# KiCad board kayboard.kicad_pcb
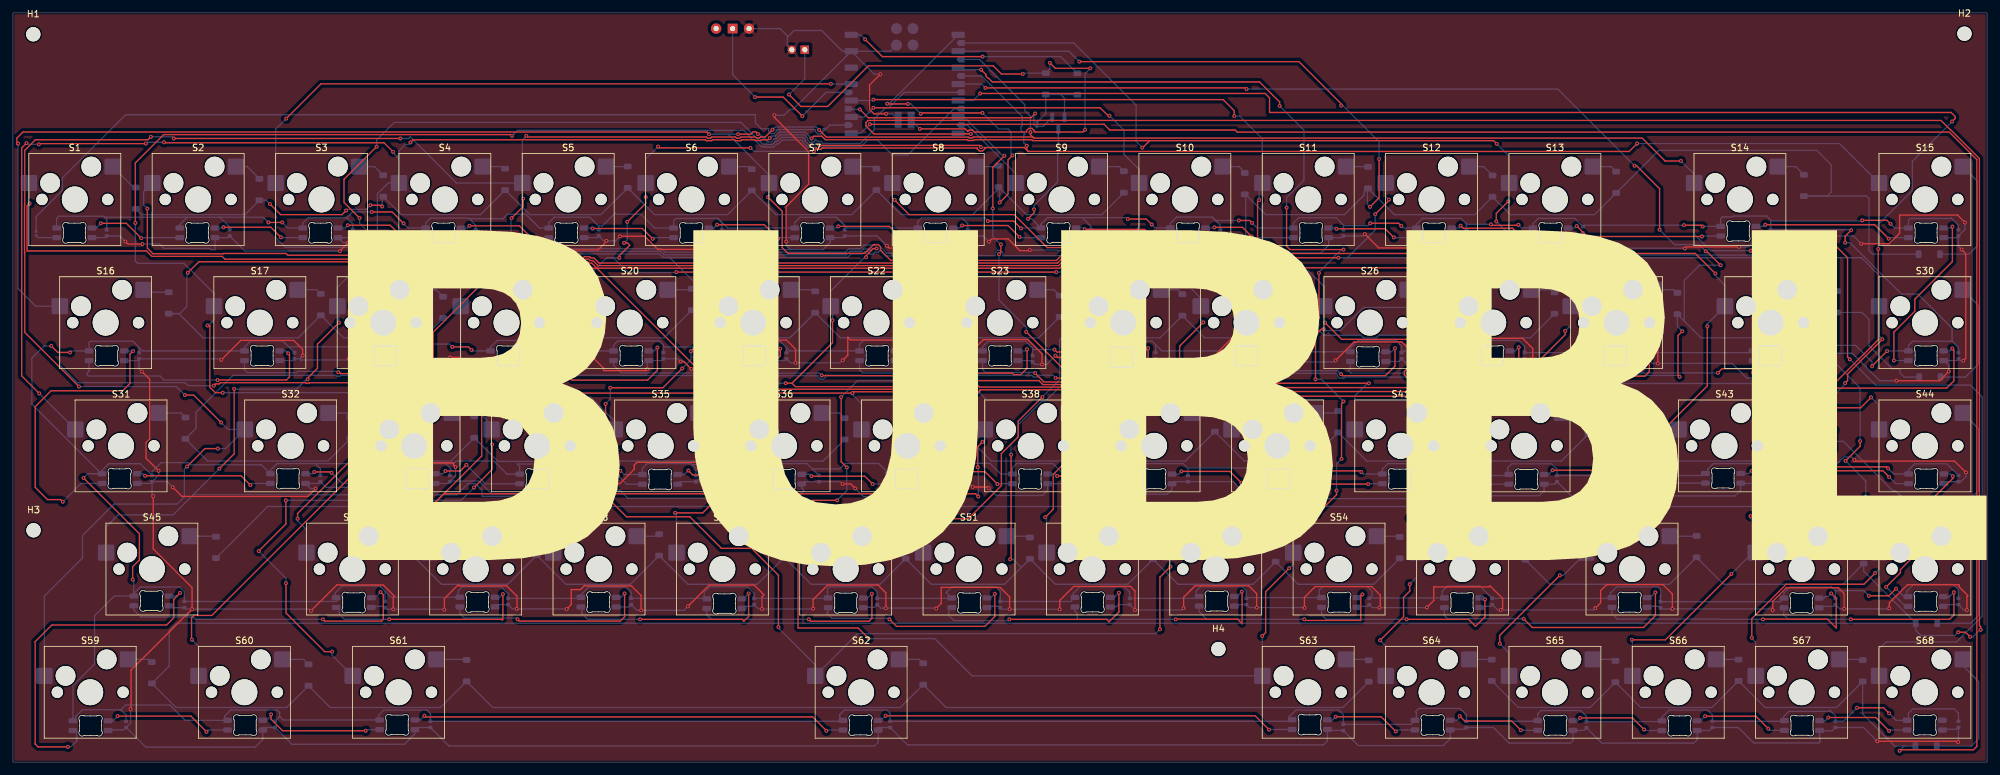
[diagram p0: board, top side]
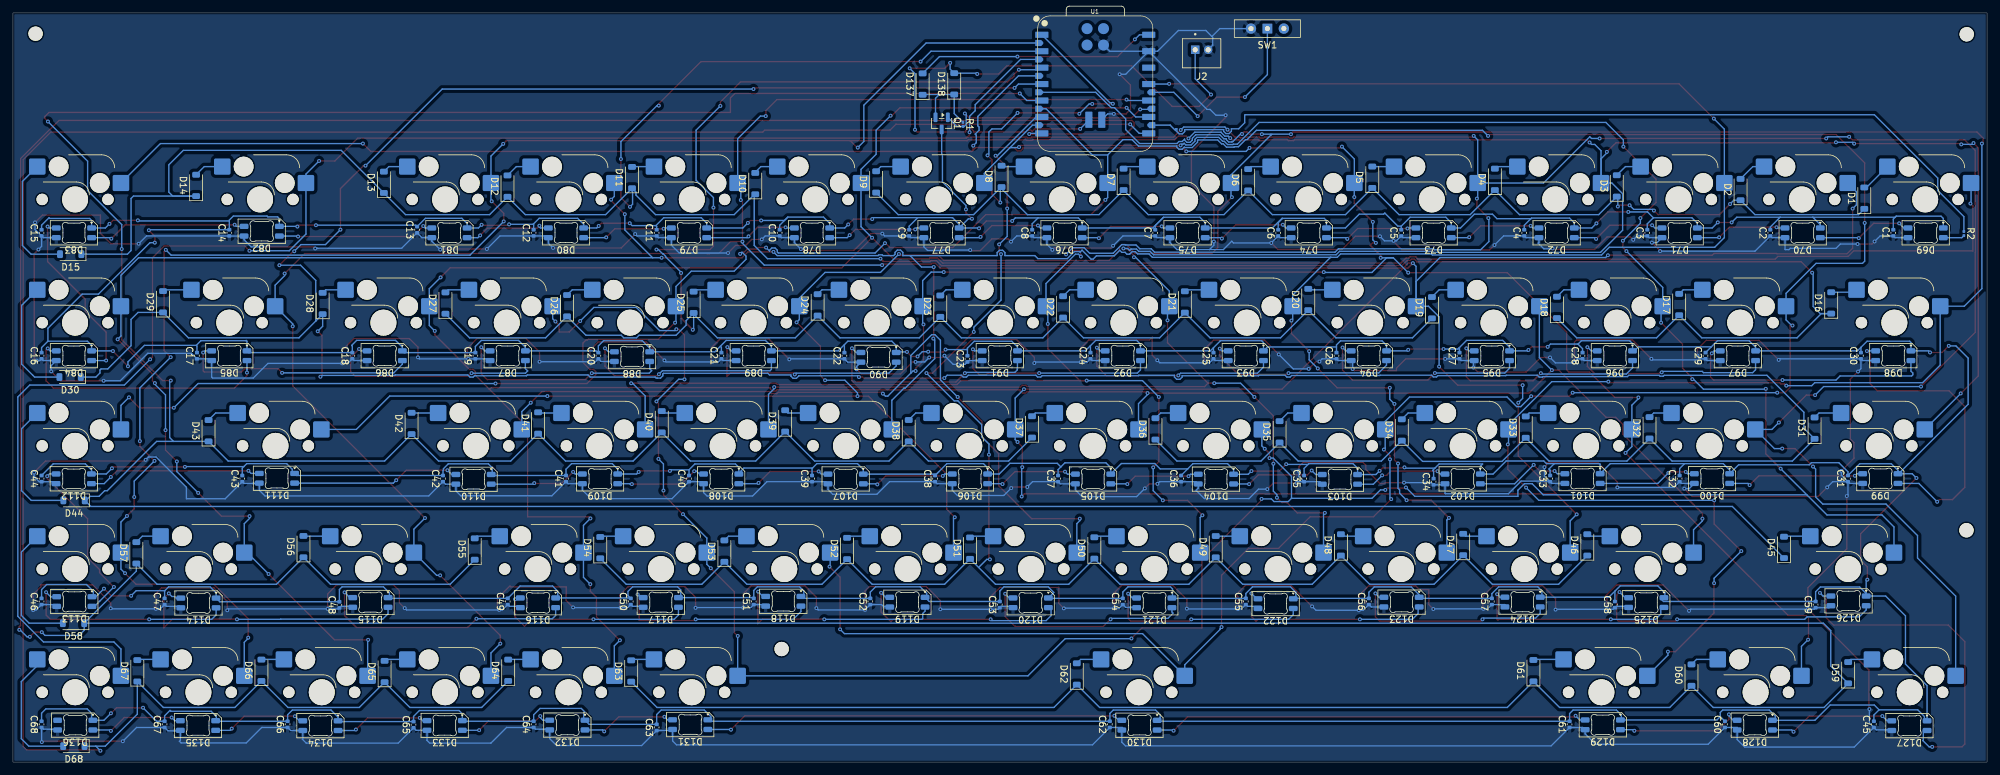
[diagram p1: board, bottom side, seen from below]

Outline 304.9 x 115.83 mm; copper layers: Top, Bottom. Coordinates in mm from the lower left corner of the outline.
Outline path: rectangle 0,115.83 304.9,0

## Placement (name value [footprint] x y rotation side)
C1  C  [C_0402_1005Metric]  14.48 81.83 90 bottom
C2  C  [C_0402_1005Metric]  33.48 81.83 90 bottom
C3  C  [C_0402_1005Metric]  52.48 81.83 90 bottom
C4  C  [C_0402_1005Metric]  71.48 81.83 90 bottom
C5  C  [C_0402_1005Metric]  90.48 81.83 90 bottom
C6  C  [C_0402_1005Metric]  109.48 81.83 90 bottom
C7  C  [C_0402_1005Metric]  128.48 81.83 90 bottom
C8  C  [C_0402_1005Metric]  147.48 81.83 90 bottom
C9  C  [C_0402_1005Metric]  166.48 81.83 90 bottom
C10  C  [C_0402_1005Metric]  186.48 81.83 90 bottom
C11  C  [C_0402_1005Metric]  205.48 81.83 90 bottom
C12  C  [C_0402_1005Metric]  224.48 81.83 90 bottom
C13  C  [C_0402_1005Metric]  242.48 82.31 90 bottom
C14  C  [C_0402_1005Metric]  271.48 81.83 90 bottom
C15  C  [C_0402_1005Metric]  300.48 81.83 90 bottom
C16  C  [C_0402_1005Metric]  300.48 62.83 90 bottom
C17  C  [C_0402_1005Metric]  276.48 62.83 90 bottom
C18  C  [C_0402_1005Metric]  252.48 62.83 90 bottom
C19  C  [C_0402_1005Metric]  233.48 62.83 90 bottom
C20  C  [C_0402_1005Metric]  214.48 62.83 90 bottom
C21  C  [C_0402_1005Metric]  195.48 62.83 90 bottom
C22  C  [C_0402_1005Metric]  176.48 62.83 90 bottom
C23  C  [C_0402_1005Metric]  157.48 62.35 90 bottom
C24  C  [C_0402_1005Metric]  138.48 62.83 90 bottom
C25  C  [C_0402_1005Metric]  119.48 62.83 90 bottom
C26  C  [C_0402_1005Metric]  100.48 62.83 90 bottom
C27  C  [C_0402_1005Metric]  81.48 62.83 90 bottom
C28  C  [C_0402_1005Metric]  62.48 62.83 90 bottom
C29  C  [C_0402_1005Metric]  43.48 62.83 90 bottom
C30  C  [C_0402_1005Metric]  19.48 62.83 90 bottom
C31  C  [C_0402_1005Metric]  21.48 43.83 90 bottom
C32  C  [C_0402_1005Metric]  47.48 43.83 90 bottom
C33  C  [C_0402_1005Metric]  67.48 43.83 90 bottom
C34  C  [C_0402_1005Metric]  85.48 43.35 90 bottom
C35  C  [C_0402_1005Metric]  105.48 43.83 90 bottom
C36  C  [C_0402_1005Metric]  124.48 43.83 90 bottom
C37  C  [C_0402_1005Metric]  143.48 43.83 90 bottom
C38  C  [C_0402_1005Metric]  162.48 43.83 90 bottom
C39  C  [C_0402_1005Metric]  181.48 43.83 90 bottom
C40  C  [C_0402_1005Metric]  200.48 43.83 90 bottom
C41  C  [C_0402_1005Metric]  219.48 43.83 90 bottom
C42  C  [C_0402_1005Metric]  238.48 43.83 90 bottom
C43  C  [C_0402_1005Metric]  269.48 43.83 90 bottom
C44  C  [C_0402_1005Metric]  300.48 43.83 90 bottom
C45  C  [C_0402_1005Metric]  17.48 5.83 90 bottom
C46  C  [C_0402_1005Metric]  300.48 24.83 90 bottom
C47  C  [C_0402_1005Metric]  281.48 24.83 90 bottom
C48  C  [C_0402_1005Metric]  254.48 24.31 90 bottom
C49  C  [C_0402_1005Metric]  228.48 24.83 90 bottom
C50  C  [C_0402_1005Metric]  209.48 24.83 90 bottom
C51  C  [C_0402_1005Metric]  190.48 24.83 90 bottom
C52  C  [C_0402_1005Metric]  172.48 24.83 90 bottom
C53  C  [C_0402_1005Metric]  152.48 24.35 90 bottom
C54  C  [C_0402_1005Metric]  133.48 24.83 90 bottom
C55  C  [C_0402_1005Metric]  114.48 24.83 90 bottom
C56  C  [C_0402_1005Metric]  95.48 24.83 90 bottom
C57  C  [C_0402_1005Metric]  76.48 24.83 90 bottom
C58  C  [C_0402_1005Metric]  57.48 24.35 90 bottom
C59  C  [C_0402_1005Metric]  26.48 24.35 90 bottom
C60  C  [C_0402_1005Metric]  40.48 5.83 90 bottom
C61  C  [C_0402_1005Metric]  64.48 5.83 90 bottom
C62  C  [C_0402_1005Metric]  135.48 5.83 90 bottom
C63  C  [C_0402_1005Metric]  205.48 5.35 90 bottom
C64  C  [C_0402_1005Metric]  224.48 5.83 90 bottom
C65  C  [C_0402_1005Metric]  243.03 5.78 90 bottom
C66  C  [C_0402_1005Metric]  262.48 5.83 90 bottom
C67  C  [C_0402_1005Metric]  281.48 5.83 90 bottom
C68  C  [C_0402_1005Metric]  300.48 5.83 90 bottom
D1  ~  [D_SOD-123]  18.96 87.19 90 bottom
D2  ~  [D_SOD-123]  38.07 88.52 90 bottom
D3  ~  [D_SOD-123]  57.19 89.08 90 bottom
D4  ~  [D_SOD-123]  76.02 90.1 90 bottom
D5  ~  [D_SOD-123]  94.95 90.43 90 bottom
D6  ~  [D_SOD-123]  114.12 90.03 90 bottom
D7  ~  [D_SOD-123]  133.36 90.1 90 bottom
D8  ~  [D_SOD-123]  152.21 90.56 90 bottom
D9  ~  [D_SOD-123]  171.58 89.7 90 bottom
D10  ~  [D_SOD-123]  190.25 89.44 90 bottom
D11  ~  [D_SOD-123]  209.28 90.37 90 bottom
D12  ~  [D_SOD-123]  228.52 89.05 90 bottom
D13  ~  [D_SOD-123]  247.61 89.64 90 bottom
D14  ~  [D_SOD-123]  276.61 89.16 90 bottom
D15  ~  [D_SOD-123]  295.98 78.53 0 bottom
D16  ~  [D_SOD-123]  24.07 70.99 90 bottom
D17  ~  [D_SOD-123]  47.55 70.74 90 bottom
D18  ~  [D_SOD-123]  66.43 70.3 90 bottom
D19  ~  [D_SOD-123]  85.74 70.25 90 bottom
D20  ~  [D_SOD-123]  104.84 71.52 90 bottom
D21  ~  [D_SOD-123]  123.9 71.14 90 bottom
D22  ~  [D_SOD-123]  142.7 70.38 90 bottom
D23  ~  [D_SOD-123]  161.67 70.49 90 bottom
D24  ~  [D_SOD-123]  180.62 70.69 90 bottom
D25  ~  [D_SOD-123]  199.77 71.09 90 bottom
D26  ~  [D_SOD-123]  219.32 70.56 90 bottom
D27  ~  [D_SOD-123]  238.1 70.97 90 bottom
D28  ~  [D_SOD-123]  257.07 70.9 90 bottom
D29  ~  [D_SOD-123]  281.72 71.17 90 bottom
D30  ~  [D_SOD-123]  296.07 59.53 0 bottom
D31  ~  [D_SOD-123]  26.64 51.63 90 bottom
D32  ~  [D_SOD-123]  52.13 51.68 90 bottom
D33  ~  [D_SOD-123]  71.25 51.79 90 bottom
D34  ~  [D_SOD-123]  90.39 51.35 90 bottom
D35  ~  [D_SOD-123]  109.27 51.06 90 bottom
D36  ~  [D_SOD-123]  128.44 51.51 90 bottom
D37  ~  [D_SOD-123]  147.5 51.82 90 bottom
D38  ~  [D_SOD-123]  166.55 51.24 90 bottom
D39  ~  [D_SOD-123]  185.63 52.75 90 bottom
D40  ~  [D_SOD-123]  204.69 52.62 90 bottom
D41  ~  [D_SOD-123]  223.79 52.43 90 bottom
D42  ~  [D_SOD-123]  243.33 52.36 90 bottom
D43  ~  [D_SOD-123]  274.69 51.23 90 bottom
D44  ~  [D_SOD-123]  295.46 40.46 0 bottom
D45  ~  [D_SOD-123]  31.36 33.19 90 bottom
D46  ~  [D_SOD-123]  61.74 33.58 90 bottom
D47  ~  [D_SOD-123]  80.91 33.64 90 bottom
D48  ~  [D_SOD-123]  99.8 33.58 90 bottom
D49  ~  [D_SOD-123]  119.13 33.3 90 bottom
D50  ~  [D_SOD-123]  137.88 33.1 90 bottom
D51  ~  [D_SOD-123]  157.08 33.07 90 bottom
D52  ~  [D_SOD-123]  176.07 33.02 90 bottom
D53  ~  [D_SOD-123]  195.02 32.62 90 bottom
D54  ~  [D_SOD-123]  214.19 33.15 90 bottom
D55  ~  [D_SOD-123]  233.58 32.94 90 bottom
D56  ~  [D_SOD-123]  260.03 33.31 90 bottom
D57  ~  [D_SOD-123]  285.84 32.35 90 bottom
D58  ~  [D_SOD-123]  295.54 21.47 0 bottom
D59  ~  [D_SOD-123]  21.45 13.81 90 bottom
D60  ~  [D_SOD-123]  45.65 13.45 90 bottom
D61  ~  [D_SOD-123]  70.06 14.13 90 bottom
D62  ~  [D_SOD-123]  140.59 13.62 90 bottom
D63  ~  [D_SOD-123]  209.41 14.08 90 bottom
D64  ~  [D_SOD-123]  228.41 14.19 90 bottom
D65  ~  [D_SOD-123]  247.5 14 90 bottom
D66  ~  [D_SOD-123]  266.52 14.19 90 bottom
D67  ~  [D_SOD-123]  285.69 14.11 90 bottom
D68  ~  [D_SOD-123]  295.49 2.46 0 bottom
D69  SK6812MINI-E  [LED_SK6812MINI-E_3.2x2.8mm_P1.5mm_ReverseMount]  9.48 81.83 0 bottom
D70  SK6812MINI-E  [LED_SK6812MINI-E_3.2x2.8mm_P1.5mm_ReverseMount]  28.48 81.83 0 bottom
D71  SK6812MINI-E  [LED_SK6812MINI-E_3.2x2.8mm_P1.5mm_ReverseMount]  47.48 81.83 0 bottom
D72  SK6812MINI-E  [LED_SK6812MINI-E_3.2x2.8mm_P1.5mm_ReverseMount]  66.48 81.83 0 bottom
D73  SK6812MINI-E  [LED_SK6812MINI-E_3.2x2.8mm_P1.5mm_ReverseMount]  85.48 81.83 0 bottom
D74  SK6812MINI-E  [LED_SK6812MINI-E_3.2x2.8mm_P1.5mm_ReverseMount]  104.75 81.83 0 bottom
D75  SK6812MINI-E  [LED_SK6812MINI-E_3.2x2.8mm_P1.5mm_ReverseMount]  123.48 81.83 0 bottom
D76  SK6812MINI-E  [LED_SK6812MINI-E_3.2x2.8mm_P1.5mm_ReverseMount]  142.48 81.83 0 bottom
D77  SK6812MINI-E  [LED_SK6812MINI-E_3.2x2.8mm_P1.5mm_ReverseMount]  161.48 81.83 0 bottom
D78  SK6812MINI-E  [LED_SK6812MINI-E_3.2x2.8mm_P1.5mm_ReverseMount]  181.48 81.83 0 bottom
D79  SK6812MINI-E  [LED_SK6812MINI-E_3.2x2.8mm_P1.5mm_ReverseMount]  200.48 81.83 0 bottom
D80  SK6812MINI-E  [LED_SK6812MINI-E_3.2x2.8mm_P1.5mm_ReverseMount]  219.48 81.83 0 bottom
D81  SK6812MINI-E  [LED_SK6812MINI-E_3.2x2.8mm_P1.5mm_ReverseMount]  237.48 81.83 0 bottom
D82  SK6812MINI-E  [LED_SK6812MINI-E_3.2x2.8mm_P1.5mm_ReverseMount]  266.48 82.08 0 bottom
D83  SK6812MINI-E  [LED_SK6812MINI-E_3.2x2.8mm_P1.5mm_ReverseMount]  295.48 81.83 0 bottom
D84  SK6812MINI-E  [LED_SK6812MINI-E_3.2x2.8mm_P1.5mm_ReverseMount]  295.48 62.83 0 bottom
D85  SK6812MINI-E  [LED_SK6812MINI-E_3.2x2.8mm_P1.5mm_ReverseMount]  271.48 62.83 0 bottom
D86  SK6812MINI-E  [LED_SK6812MINI-E_3.2x2.8mm_P1.5mm_ReverseMount]  247.48 62.83 0 bottom
D87  SK6812MINI-E  [LED_SK6812MINI-E_3.2x2.8mm_P1.5mm_ReverseMount]  228.48 62.83 0 bottom
D88  SK6812MINI-E  [LED_SK6812MINI-E_3.2x2.8mm_P1.5mm_ReverseMount]  209.28 62.69 0 bottom
D89  SK6812MINI-E  [LED_SK6812MINI-E_3.2x2.8mm_P1.5mm_ReverseMount]  190.48 62.83 0 bottom
D90  SK6812MINI-E  [LED_SK6812MINI-E_3.2x2.8mm_P1.5mm_ReverseMount]  171.2 62.58 0 bottom
D91  SK6812MINI-E  [LED_SK6812MINI-E_3.2x2.8mm_P1.5mm_ReverseMount]  152.48 62.83 0 bottom
D92  SK6812MINI-E  [LED_SK6812MINI-E_3.2x2.8mm_P1.5mm_ReverseMount]  133.48 62.83 0 bottom
D93  SK6812MINI-E  [LED_SK6812MINI-E_3.2x2.8mm_P1.5mm_ReverseMount]  114.48 62.83 0 bottom
D94  SK6812MINI-E  [LED_SK6812MINI-E_3.2x2.8mm_P1.5mm_ReverseMount]  95.48 62.83 0 bottom
D95  SK6812MINI-E  [LED_SK6812MINI-E_3.2x2.8mm_P1.5mm_ReverseMount]  76.48 62.83 0 bottom
D96  SK6812MINI-E  [LED_SK6812MINI-E_3.2x2.8mm_P1.5mm_ReverseMount]  57.48 62.83 0 bottom
D97  SK6812MINI-E  [LED_SK6812MINI-E_3.2x2.8mm_P1.5mm_ReverseMount]  38.48 62.83 0 bottom
D98  SK6812MINI-E  [LED_SK6812MINI-E_3.2x2.8mm_P1.5mm_ReverseMount]  14.48 62.83 0 bottom
D99  SK6812MINI-E  [LED_SK6812MINI-E_3.2x2.8mm_P1.5mm_ReverseMount]  16.48 43.83 0 bottom
D100  SK6812MINI-E  [LED_SK6812MINI-E_3.2x2.8mm_P1.5mm_ReverseMount]  42.48 43.83 0 bottom
D101  SK6812MINI-E  [LED_SK6812MINI-E_3.2x2.8mm_P1.5mm_ReverseMount]  62.48 43.83 0 bottom
D102  SK6812MINI-E  [LED_SK6812MINI-E_3.2x2.8mm_P1.5mm_ReverseMount]  80.99 43.78 0 bottom
D103  SK6812MINI-E  [LED_SK6812MINI-E_3.2x2.8mm_P1.5mm_ReverseMount]  99.95 43.71 0 bottom
D104  SK6812MINI-E  [LED_SK6812MINI-E_3.2x2.8mm_P1.5mm_ReverseMount]  119.1 43.75 0 bottom
D105  SK6812MINI-E  [LED_SK6812MINI-E_3.2x2.8mm_P1.5mm_ReverseMount]  138.07 43.77 0 bottom
D106  SK6812MINI-E  [LED_SK6812MINI-E_3.2x2.8mm_P1.5mm_ReverseMount]  157.09 43.79 0 bottom
D107  SK6812MINI-E  [LED_SK6812MINI-E_3.2x2.8mm_P1.5mm_ReverseMount]  176.29 43.77 0 bottom
D108  SK6812MINI-E  [LED_SK6812MINI-E_3.2x2.8mm_P1.5mm_ReverseMount]  195.51 43.79 0 bottom
D109  SK6812MINI-E  [LED_SK6812MINI-E_3.2x2.8mm_P1.5mm_ReverseMount]  214.22 43.79 0 bottom
D110  SK6812MINI-E  [LED_SK6812MINI-E_3.2x2.8mm_P1.5mm_ReverseMount]  233.76 43.72 0 bottom
D111  SK6812MINI-E  [LED_SK6812MINI-E_3.2x2.8mm_P1.5mm_ReverseMount]  264.12 43.88 0 bottom
D112  SK6812MINI-E  [LED_SK6812MINI-E_3.2x2.8mm_P1.5mm_ReverseMount]  295.51 43.8 0 bottom
D113  SK6812MINI-E  [LED_SK6812MINI-E_3.2x2.8mm_P1.5mm_ReverseMount]  295.42 24.82 0 bottom
D114  SK6812MINI-E  [LED_SK6812MINI-E_3.2x2.8mm_P1.5mm_ReverseMount]  276.25 24.6 0 bottom
D115  SK6812MINI-E  [LED_SK6812MINI-E_3.2x2.8mm_P1.5mm_ReverseMount]  249.69 24.68 0 bottom
D116  SK6812MINI-E  [LED_SK6812MINI-E_3.2x2.8mm_P1.5mm_ReverseMount]  223.81 24.63 0 bottom
D117  SK6812MINI-E  [LED_SK6812MINI-E_3.2x2.8mm_P1.5mm_ReverseMount]  204.84 24.68 0 bottom
D118  SK6812MINI-E  [LED_SK6812MINI-E_3.2x2.8mm_P1.5mm_ReverseMount]  185.92 24.86 0 bottom
D119  SK6812MINI-E  [LED_SK6812MINI-E_3.2x2.8mm_P1.5mm_ReverseMount]  166.75 24.72 0 bottom
D120  SK6812MINI-E  [LED_SK6812MINI-E_3.2x2.8mm_P1.5mm_ReverseMount]  147.71 24.63 0 bottom
D121  SK6812MINI-E  [LED_SK6812MINI-E_3.2x2.8mm_P1.5mm_ReverseMount]  128.62 24.62 0 bottom
D122  SK6812MINI-E  [LED_SK6812MINI-E_3.2x2.8mm_P1.5mm_ReverseMount]  109.88 24.5 0 bottom
D123  SK6812MINI-E  [LED_SK6812MINI-E_3.2x2.8mm_P1.5mm_ReverseMount]  90.43 24.73 0 bottom
D124  SK6812MINI-E  [LED_SK6812MINI-E_3.2x2.8mm_P1.5mm_ReverseMount]  71.74 24.74 0 bottom
D125  SK6812MINI-E  [LED_SK6812MINI-E_3.2x2.8mm_P1.5mm_ReverseMount]  52.63 24.66 0 bottom
D126  SK6812MINI-E  [LED_SK6812MINI-E_3.2x2.8mm_P1.5mm_ReverseMount]  21.39 24.92 0 bottom
D127  SK6812MINI-E  [LED_SK6812MINI-E_3.2x2.8mm_P1.5mm_ReverseMount]  11.99 5.63 0 bottom
D128  SK6812MINI-E  [LED_SK6812MINI-E_3.2x2.8mm_P1.5mm_ReverseMount]  35.87 5.71 0 bottom
D129  SK6812MINI-E  [LED_SK6812MINI-E_3.2x2.8mm_P1.5mm_ReverseMount]  59.35 5.76 0 bottom
D130  SK6812MINI-E  [LED_SK6812MINI-E_3.2x2.8mm_P1.5mm_ReverseMount]  130.91 5.7 0 bottom
D131  SK6812MINI-E  [LED_SK6812MINI-E_3.2x2.8mm_P1.5mm_ReverseMount]  200.3 5.79 0 bottom
D132  SK6812MINI-E  [LED_SK6812MINI-E_3.2x2.8mm_P1.5mm_ReverseMount]  219.27 5.72 0 bottom
D133  SK6812MINI-E  [LED_SK6812MINI-E_3.2x2.8mm_P1.5mm_ReverseMount]  238.22 5.66 0 bottom
D134  SK6812MINI-E  [LED_SK6812MINI-E_3.2x2.8mm_P1.5mm_ReverseMount]  257.41 5.63 0 bottom
D135  SK6812MINI-E  [LED_SK6812MINI-E_3.2x2.8mm_P1.5mm_ReverseMount]  276.32 5.65 0 bottom
D136  SK6812MINI-E  [LED_SK6812MINI-E_3.2x2.8mm_P1.5mm_ReverseMount]  295.28 5.71 0 bottom
D137  1N5819  [D_SOD-123]  164.4 104.83 90 bottom
D138  1N5819  [D_SOD-123]  159.52 104.87 90 bottom
H1  MountingHole  [MountingHole_2.2mm_M2]  3.14 112.53 0 top
H2  MountingHole  [MountingHole_2.2mm_M2]  301.41 112.62 0 top
H3  MountingHole  [MountingHole_2.2mm_M2]  3.18 35.84 0 top
H4  MountingHole  [MountingHole_2.2mm_M2]  186.18 17.48 0 top
J2  B2B-PH-K-S  [JST_B2B-PH-K-S]  121.3 109.59 0 bottom
Q1  AO3401A  [SOT-23]  161.46 98.75 270 bottom
R1  Resistor (10K)  [R_0201_0603Metric]  158.17 98.6 270 bottom
R2  Resistor (330ohm)  [R_0201_0603Metric]  3.58 81.72 270 bottom
S1  ~  [SW_Hotswap_Kailh_MX_1.00u]  9.56 86.99 0 top
S2  ~  [SW_Hotswap_Kailh_MX_1.00u]  28.61 86.99 0 top
S3  ~  [SW_Hotswap_Kailh_MX_1.00u]  47.66 86.99 0 top
S4  ~  [SW_Hotswap_Kailh_MX_1.00u]  66.7 86.99 0 top
S5  ~  [SW_Hotswap_Kailh_MX_1.00u]  85.75 86.99 0 top
S6  ~  [SW_Hotswap_Kailh_MX_1.00u]  104.81 86.99 0 top
S7  ~  [SW_Hotswap_Kailh_MX_1.00u]  123.86 86.99 0 top
S8  ~  [SW_Hotswap_Kailh_MX_1.00u]  142.91 86.99 0 top
S9  ~  [SW_Hotswap_Kailh_MX_1.00u]  161.95 86.99 0 top
S10  ~  [SW_Hotswap_Kailh_MX_1.00u]  181 86.99 0 top
S11  ~  [SW_Hotswap_Kailh_MX_1.00u]  200.06 86.99 0 top
S12  ~  [SW_Hotswap_Kailh_MX_1.00u]  219.11 86.99 0 top
S13  ~  [SW_Hotswap_Kailh_MX_1.00u]  238.16 86.99 0 top
S14  ~  [SW_Hotswap_Kailh_MX_2.00u]  266.73 86.99 0 top
S15  ~  [SW_Hotswap_Kailh_MX_1.00u]  295.31 86.99 0 top
S16  ~  [SW_Hotswap_Kailh_MX_1.50u]  14.32 67.94 0 top
S17  ~  [SW_Hotswap_Kailh_MX_1.00u]  38.13 67.94 0 top
S18  ~  [SW_Hotswap_Kailh_MX_1.00u]  57.18 67.94 0 top
S19  ~  [SW_Hotswap_Kailh_MX_1.00u]  76.23 67.94 0 top
S20  ~  [SW_Hotswap_Kailh_MX_1.00u]  95.28 67.94 0 top
S21  ~  [SW_Hotswap_Kailh_MX_1.00u]  114.33 67.94 0 top
S22  ~  [SW_Hotswap_Kailh_MX_1.00u]  133.38 67.94 0 top
S23  ~  [SW_Hotswap_Kailh_MX_1.00u]  152.43 67.94 0 top
S24  ~  [SW_Hotswap_Kailh_MX_1.00u]  171.48 67.94 0 top
S25  ~  [SW_Hotswap_Kailh_MX_1.00u]  190.53 67.94 0 top
S26  ~  [SW_Hotswap_Kailh_MX_1.00u]  209.58 67.94 0 top
S27  ~  [SW_Hotswap_Kailh_MX_1.00u]  228.63 67.94 0 top
S28  ~  [SW_Hotswap_Kailh_MX_1.00u]  247.68 67.94 0 top
S29  ~  [SW_Hotswap_Kailh_MX_1.50u]  271.49 67.94 0 top
S30  ~  [SW_Hotswap_Kailh_MX_1.00u]  295.31 67.94 0 top
S31  ~  [SW_Hotswap_Kailh_MX_1.75u]  16.7 48.89 0 top
S32  ~  [SW_Hotswap_Kailh_MX_1.00u]  42.89 48.89 0 top
S33  ~  [SW_Hotswap_Kailh_MX_1.00u]  61.94 48.89 0 top
S34  ~  [SW_Hotswap_Kailh_MX_1.00u]  80.99 48.89 0 top
S35  ~  [SW_Hotswap_Kailh_MX_1.00u]  100.04 48.89 0 top
S36  ~  [SW_Hotswap_Kailh_MX_1.00u]  119.09 48.89 0 top
S37  ~  [SW_Hotswap_Kailh_MX_1.00u]  138.14 48.89 0 top
S38  ~  [SW_Hotswap_Kailh_MX_1.00u]  157.19 48.89 0 top
S39  ~  [SW_Hotswap_Kailh_MX_1.00u]  176.24 48.89 0 top
S40  ~  [SW_Hotswap_Kailh_MX_1.00u]  195.29 48.89 0 top
S41  ~  [SW_Hotswap_Kailh_MX_1.00u]  214.34 48.89 0 top
S42  ~  [SW_Hotswap_Kailh_MX_1.00u]  233.39 48.89 0 top
S43  ~  [SW_Hotswap_Kailh_MX_2.25u]  264.35 48.89 0 top
S44  ~  [SW_Hotswap_Kailh_MX_1.00u]  295.31 48.89 0 top
S45  ~  [SW_Hotswap_Kailh_MX_2.25u]  21.46 29.84 0 top
S46  ~  [SW_Hotswap_Kailh_MX_1.00u]  52.42 29.84 0 top
S47  ~  [SW_Hotswap_Kailh_MX_1.00u]  71.47 29.84 0 top
S48  ~  [SW_Hotswap_Kailh_MX_1.00u]  90.52 29.84 0 top
S49  ~  [SW_Hotswap_Kailh_MX_1.00u]  109.57 29.84 0 top
S50  ~  [SW_Hotswap_Kailh_MX_1.00u]  128.62 29.84 0 top
S51  ~  [SW_Hotswap_Kailh_MX_1.00u]  147.67 29.84 0 top
S52  ~  [SW_Hotswap_Kailh_MX_1.00u]  166.72 29.84 0 top
S53  ~  [SW_Hotswap_Kailh_MX_1.00u]  185.77 29.84 0 top
S54  ~  [SW_Hotswap_Kailh_MX_1.00u]  204.82 29.84 0 top
S55  ~  [SW_Hotswap_Kailh_MX_1.00u]  223.87 29.84 0 top
S56  ~  [SW_Hotswap_Kailh_MX_1.75u]  250.06 29.84 0 top
S57  ~  [SW_Hotswap_Kailh_MX_1.00u]  276.25 29.84 0 top
S58  ~  [SW_Hotswap_Kailh_MX_1.00u]  295.31 29.84 0 top
S59  ~  [SW_Hotswap_Kailh_MX_1.25u]  11.94 10.79 0 top
S60  ~  [SW_Hotswap_Kailh_MX_1.25u]  35.75 10.79 0 top
S61  ~  [SW_Hotswap_Kailh_MX_1.25u]  59.56 10.79 0 top
S62  ~  [SW_Hotswap_Kailh_MX_6.25u]  131 10.79 0 top
S63  ~  [SW_Hotswap_Kailh_MX_1.00u]  200.06 10.79 0 top
S64  ~  [SW_Hotswap_Kailh_MX_1.00u]  219.11 10.79 0 top
S65  ~  [SW_Hotswap_Kailh_MX_1.00u]  238.16 10.79 0 top
S66  ~  [SW_Hotswap_Kailh_MX_1.00u]  257.2 10.79 0 top
S67  ~  [SW_Hotswap_Kailh_MX_1.00u]  276.25 10.79 0 top
S68  ~  [SW_Hotswap_Kailh_MX_1.00u]  295.31 10.79 0 top
SW1  SW_Wuerth_450301014042  [SW_Slide-03_Wuerth-WS-SLTV_10x2.5x6.4_P2.54mm]  111.15 113.41 0 bottom
U1  -  [XIAO-nRF52840-Plus-SMD]  137.74 104.83 90 bottom

## Library data of the parts
C1-C68 = -: Description: Unpolarized capacitor; KiLib_Generator: SMD_2terminal_chip_molded; ki_fp_filters: C_*
D1-D68 = -: ki_fp_filters: D*DO?35*
D69-D136 = -: Datasheet: https://www.lcsc.com/datasheet/C5149201.pdf; Description: RGB LED with integrated controller; ki_fp_filters: LED?SK6812MINI?E?3.2x2.8mm?P1.5mm*
D137 D138 = -: Datasheet: http://www.vishay.com/docs/88525/1n5817.pdf; Description: 40V 1A Schottky Barrier Rectifier Diode, DO-41; ki_fp_filters: D*DO?41*
H1-H4 = -: Description: Mounting Hole without connection; KiLib_Generator: mounting_hardware/mounting_hole; ki_fp_filters: MountingHole*
J2 = -: Description: Connector Header Through Hole 2 position 0.079 (2.00mm); MF: JST Sales; Package: None; Price: None; Check_prices: https://www.snapeda.com/parts/B2B-PH-K-S/JST/view-part/?ref=eda; SnapEDA_Link: https://www.snapeda.com/parts/B2B-PH-K-S/JST/view-part/?ref=snap; Availability: In Stock; MANUFACTURER: JST
Q1 = -: Datasheet: http://www.aosmd.com/pdfs/datasheet/AO3401A.pdf; Description: -4.0A Id, -30V Vds, P-Channel MOSFET, SOT-23; KiLib_Generator: package/gullwing; ki_fp_filters: SOT?23*
R1 R2 = -: Description: Resistor; KiLib_Generator: SMD_2terminal_chip_molded; ki_fp_filters: R_*
SW1 = -: Datasheet: https://www.we-online.com/components/products/datasheet/450301014042.pdf; Description: Switch slide, single pole double throw; ki_fp_filters: SW*Wuerth*WS*SLTV*10x2.5x6.4*P2.54mm*

## Footprints (pads in the part's own frame, mm; a bottom-side part is the same pattern mirrored in y, then rotated)
C_0402_1005Metric
  rrect 0.56x0.62 smd: 1(-0.48,0) 2(0.48,0)
D_SOD-123
  rrect 0.9x1.2 smd: 1(-1.65,0) 2(1.65,0)
JST_B2B-PH-K-S
  rect 1.308x1.308 hole 0.8: 1(1,-0.55)
  round 1.308 hole 0.8: 2(-1,-0.55)
LED_SK6812MINI-E_3.2x2.8mm_P1.5mm_ReverseMount
  rrect 1.35x0.82 smd: 1(-2.725,-0.75) 2(-2.725,0.75) 3(2.725,0.75) 4(2.725,-0.75)
MountingHole_2.2mm_M2
  round 2.2 hole 2.2 unplated: (0,0)
R_0201_0603Metric
  rrect 0.318x0.36 smd: (-0.345,0) (0.345,0)
  rrect 0.46x0.4 smd: 1(-0.32,0) 2(0.32,0)
SOT-23
  rrect 1.475x0.6 smd: 1(-0.938,0.95) 2(-0.938,-0.95) 3(0.938,0)
SW_Hotswap_Kailh_MX_1.00u
  round 1.75 hole 1.75 unplated: (-5.08,0) (5.08,0)
  round 3.05 hole 3.05 unplated: (-3.81,2.54) (2.54,5.08)
  round 4 hole 4 unplated: (0,0)
  rrect 2.55x2.5 smd far side: 1(-7.085,2.54) 2(5.842,5.08)
SW_Hotswap_Kailh_MX_1.25u
  round 1.75 hole 1.75 unplated: (-5.08,0) (5.08,0)
  round 3.05 hole 3.05 unplated: (-3.81,2.54) (2.54,5.08)
  round 4 hole 4 unplated: (0,0)
  rrect 2.55x2.5 smd far side: 1(-7.085,2.54) 2(5.842,5.08)
SW_Hotswap_Kailh_MX_1.50u
  round 1.75 hole 1.75 unplated: (-5.08,0) (5.08,0)
  round 3.05 hole 3.05 unplated: (-3.81,2.54) (2.54,5.08)
  round 4 hole 4 unplated: (0,0)
  rrect 2.55x2.5 smd far side: 1(-7.085,2.54) 2(5.842,5.08)
SW_Hotswap_Kailh_MX_1.75u
  round 1.75 hole 1.75 unplated: (-5.08,0) (5.08,0)
  round 3.05 hole 3.05 unplated: (-3.81,2.54) (2.54,5.08)
  round 4 hole 4 unplated: (0,0)
  rrect 2.55x2.5 smd far side: 1(-7.085,2.54) 2(5.842,5.08)
SW_Hotswap_Kailh_MX_2.00u
  round 1.75 hole 1.75 unplated: (-5.08,0) (5.08,0)
  round 3.05 hole 3.05 unplated: (-3.81,2.54) (2.54,5.08)
  round 4 hole 4 unplated: (0,0)
  rrect 2.55x2.5 smd far side: 1(-7.085,2.54) 2(5.842,5.08)
SW_Hotswap_Kailh_MX_2.25u
  round 1.75 hole 1.75 unplated: (-5.08,0) (5.08,0)
  round 3.05 hole 3.05 unplated: (-3.81,2.54) (2.54,5.08)
  round 4 hole 4 unplated: (0,0)
  rrect 2.55x2.5 smd far side: 1(-7.085,2.54) 2(5.842,5.08)
SW_Hotswap_Kailh_MX_6.25u
  round 1.75 hole 1.75 unplated: (-5.08,0) (5.08,0)
  round 3.05 hole 3.05 unplated: (-3.81,2.54) (2.54,5.08)
  round 4 hole 4 unplated: (0,0)
  rrect 2.55x2.5 smd far side: 1(-7.085,2.54) 2(5.842,5.08)
SW_Slide-03_Wuerth-WS-SLTV_10x2.5x6.4_P2.54mm
  rect 1.5x1.5 hole 0.8: 1(0,0)
  round 1.6 hole 0.8: 2(-2.54,0) 3(2.54,0)
XIAO-nRF52840-Plus-SMD
  rrect 0.95x2.032 smd: 1(7.62,8.255) 2(5.08,8.255) 3(2.54,8.255) 4(0,8.255) 5(-2.54,8.255) 6(-5.08,8.255) 7(-7.62,8.255) 8(-7.62,-8.255) 9(-5.08,-8.255) 10(-2.54,-8.255) 11(0,-8.255) 12(2.54,-8.255) 13(5.08,-8.255) 14(7.62,-8.255)
  rrect 0.95x1.232 smd: 15(6.35,8.655) 16(3.81,8.655) 17(1.27,8.655) 18(-1.27,8.655) 19(-3.81,8.655) 20(-6.35,8.655) 21(-6.35,-8.655) 22(-3.81,-8.655) 23(-1.27,-8.655)
  round 1.7 smd: 24(8.572,1.27) 25(8.572,-1.27) 26(6.032,1.27) 27(6.032,-1.27)
  rrect 2.5x1.1 smd: 28(-5.518,0.994) 29(-5.518,-1.006)
